# Altium PCB MB1635.PcbDoc (part 8 of 10) (continued)
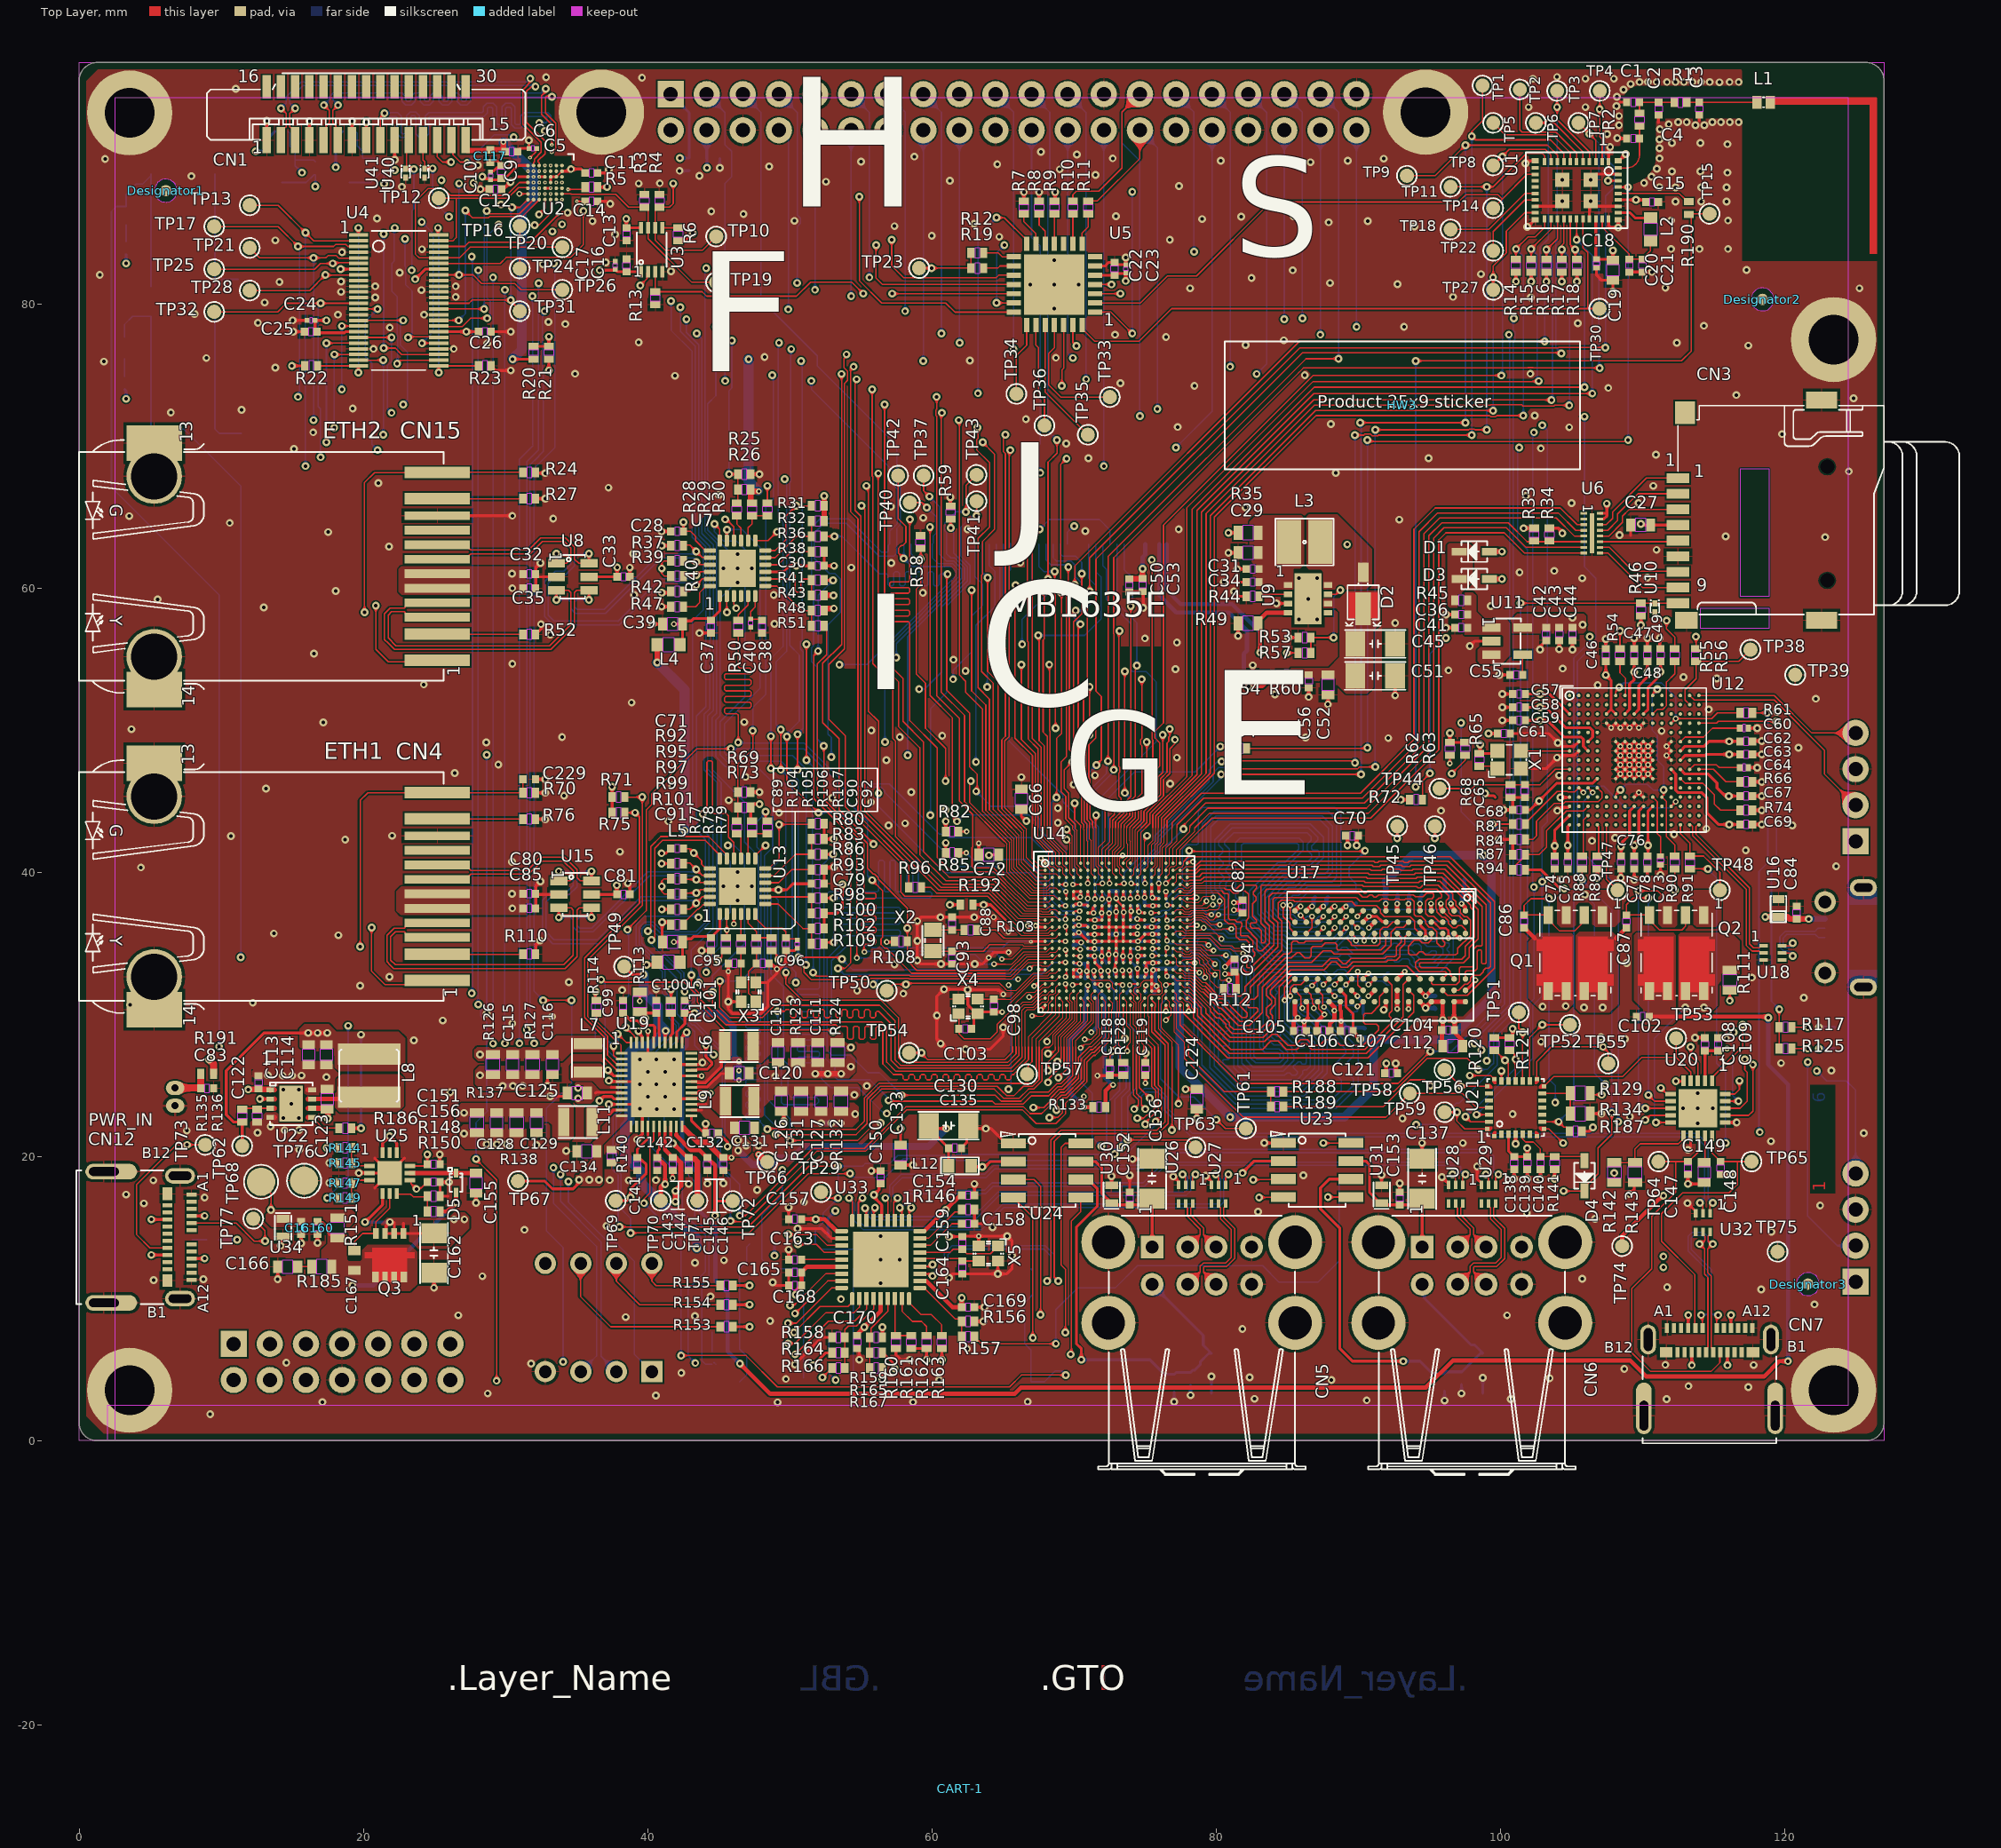
[diagram p0: Top Layer view]
## Nets (pads, with @x,y where several pads share a name; then routed paths per layer and width w, separated by ;. In a path a pad name is that pad's centre, name@x,y a point inside that pad or via, vN(x,y) a via of type N, cw(c..) or ccw(c..) an arc to the next point about the centre after c; other vN are vias at no path point) (continued)
SRC_GDCS: Q1.1 Q1.3 U20.6 | length 18.8
  Top Layer w0.1: v1(111.3,24.825) 111.725,24.4 U20.6@111.975,24.4
  Signal Layer 2 w0.1: v1(107.4,25.1) 107.675,24.825 v1(111.3,24.825)
  Bottom Layer w0.1: v1(105.95,38.425) 106.625,37.75 106.625,25.875 v1(107.4,25.1)
STLINK_SWCLK: R90.2 U14.Y2 | length 52.7
  Top Layer w0.075: v2(67.05,29.9) 67.8,29.9 68.225,30.325 68.225,30.76 68.475,31.01 U14.Y2@68.475,31.15
  Top Layer w0.1: v1(112.275,38.75) R90.2@112.275,40.25
  Signal Layer 2 w0.1: v2(67.05,29.9) 75.25,29.9 76.525,31.175 81.275,31.175 83.775,31.175 86.275,33.675 107.2,33.675 v1(112.275,38.75)
STLINK_SWDIO: R81.2 U14.Y12 | length 47.3
  Top Layer w0.075: U14.Y12@73.475,31.15 73.725,30.9 73.725,29.194 73.982,28.938 73.982,28.032 73.75,27.8 73.75,27.725
  Top Layer w0.1: v2(73.75,27.425) 73.75,27.725 ; v1(99.475,43.4) R81.2@100.875,43.4
  Signal Layer 2 w0.1: v2(73.75,27.425) 73.775,27.425 74.35,26.85 91.674,26.85 91.799,26.975 92.826,26.975 92.926,26.875 97.1,26.875 v1(98.175,27.95)
  Bottom Layer w0.1: v1(98.175,27.95) 98.175,28.6 100.3,30.725 100.3,42.575 v1(99.475,43.4)
STLINK_SWO: R61.2 U14.W18 | length 81.2
  Top Layer w0.075: 76.213,28.988 76.144,29.058 76.144,30.744 76.225,30.825 76.225,31.3 76.445,31.52 76.445,31.62 U14.W18@76.474,31.65 ; 76.214,28.989 77.35,27.853 77.35,27.725
  Top Layer w0.1: v1(77.35,23.725) 77.35,27.725 ; R61.2@117.75,51.225 v1(118.775,51.225)
  Signal Layer 2 w0.1: v1(77.35,23.725) 95.075,23.725 97.225,21.575 117.978,21.575 118.128,21.725 v1(118.25,21.725)
  Bottom Layer w0.1: v1(118.25,21.725) 118.2,21.775 118.2,40.075 118.825,40.7 118.825,51.175 v1(118.775,51.225)
STLK_LED: R117.2 R125.2 U12.D15 | length 28.9
  Top Layer w0.1: U12.D15@113.975,50.5 115.225,50.5 115.35,50.625 v1(119.425,50.625) ; R125.2@119.625,27.6 R117.2@119.625,29.1 v1(119.625,30.375)
  Bottom Layer w0.1: v1(119.425,50.625) 119.425,40.45 119.075,40.1 119.075,30.925 v1(119.625,30.375)
STLK_RST: C65.2 R68.1 TP44.1 U12.J1 | length 9.7
  Top Layer w0.1: TP44.1@95.725,45.9 98,45.9 98.275,46.175 99.65,46.175 R68.1@100.725,46.175 C65.2@101.725,46.175 102.8,46.175 103.875,47.25 U12.J1@104.875,47.25
STLK_SWCLK: CN9.2 U12.A14 | length 15.9
  Top Layer w0.1: U12.A14@113.325,52.45 113.65,52.125 119.275,52.125 122.8,48.6 122.8,46.93 CN9.2@125,44.73
STLK_SWDIO: CN9.4 U12.A15 | length 12.1
  Top Layer w0.1: U12.A15@113.975,52.45 119.275,52.45 121.915,49.81 CN9.4@125,49.81
STLK_VCP2_RX: R91.1 U21.8 | length 34.3
  Top Layer w0.1: U21.8@103.075,21.95 103.425,21.95 v1(104.425,20.95) ; R91.1@113.35,40.25 v1(114.6,40.25)
  Signal Layer 2 w0.1: v1(104.425,20.95) v1(115.85,20.95)
  Bottom Layer w0.1: v1(114.6,40.25) 115.225,39.625 115.225,26.575 115.85,25.95 v1(115.85,20.95)
STLK_VCP2_TX: R56.1 R187.1 U21.9 | length 46.3
  Top Layer w0.1: U21.9@102.95,22.45 v1(104.1,22.45) 104.475,22.075 104.645,22.075 104.85,21.87 R187.1@104.85,21.775 ; R56.1@113.775,55.75 v1(113.775,56.6)
  Signal Layer 2 w0.1: v1(106.3,56.6) 107.125,55.775 112.95,55.775 v1(113.775,56.6)
  Bottom Layer w0.1: v1(104.1,22.45) 105.175,23.525 105.175,55.1 106.3,56.225 v1(106.3,56.6)
STM32G0_I2C2_SCL: R121.2 U20.18 U21.18 | length 23.3
  Top Layer w0.1: R121.2@100.65,27.475 100.725,27.475 101.075,27.125 v1(101.075,26.85) U21.18@101.075,25.325 ; U20.18@115.825,23.4 116.875,23.4 117.375,23.9 117.375,25.925 117.2,26.1 v1(117.2,26.85)
  Signal Layer 2 w0.1: v1(101.075,26.85) v1(117.2,26.85)
STM32G0_I2C2_SDA: R120.1 U20.17 U21.19 | length 25.6
  Top Layer w0.1: R120.1@99.575,27.475 99.625,27.475 v1(100.325,26.775) 100.575,26.525 U21.19@100.575,25.325 ; U20.17@115.825,22.9 117.475,22.9 117.775,23.2 v1(117.775,26.475)
  Signal Layer 2 w0.1: v1(100.325,26.775) 100.7,26.4 117.7,26.4 v1(117.775,26.475)
STM32G0_INTN: TP59.1 U14.N5 U21.28 | length 51
  Top Layer w0.09: U14.N5@69.975,34.65 70.002,34.623 70.397,34.623 v2(70.442,34.578)
  Top Layer w0.1: TP59.1@96.075,23.125 v1(96.95,23.125) 96.95,22.5 97.5,21.95 U21.28@99.075,21.95
  Signal Layer 2 w0.09: v2(65.4,32.075) 65.4,33 66.6,34.2 69.625,34.2 70.003,34.578 v2(70.442,34.578)
  Signal Layer 2 w0.1: v1(65.4,24.75) 71.155,24.75 71.58,24.325 74.3,24.325 74.585,24.61 75.28,24.61 75.42,24.75 76.075,24.75 76.525,24.3 95.775,24.3 v1(96.95,23.125)
  Bottom Layer w0.09: v2(65.4,32.075) 65.4,32.031 65.57,31.861 65.57,27.725
  Bottom Layer w0.1: v1(65.4,24.75) 65.4,24.869 65.57,25.039 65.57,27.725
STM32G0_SWCLK: CN13.2 U21.21 | length 41.6
  Top Layer w0.1: v1(97.85,25.7) 99.325,25.7 U21.21@99.575,25.45
  Signal Layer 2 w0.1: v1(97.85,25.7) 98.65,25.7 99.9,26.95 ; 99.9,26.951 100.224,27.275 115.78,27.275 115.805,27.25 116.095,27.25 116.12,27.275 121,27.275 v1(121.625,26.65)
  Bottom Layer w0.1: v1(121.625,26.65) 121.625,15.825 123.72,13.73 CN13.2@125,13.73
STM32G0_SWDIO: CN13.4 U21.20 | length 32.1
  Top Layer w0.1: U21.20@100.075,25.325 v1(100.075,26.025)
  Signal Layer 2 w0.1: v1(100.075,26.025) v1(122.275,26.025)
  Bottom Layer w0.1: v1(122.275,26.025) 122.975,25.325 124.351,25.325 125,24.676 CN13.4@125,18.81
STM32G0_WAKE: TP58.1 U14.AA19 U21.25 | length 28.3
  Top Layer w0.075: U14.AA19@76.974,30.65 76.974,30.61 77.056,30.528 77.056,30.465 77.056,28.769 77.638,28.188 77.775,28.05 77.775,27.725
  Top Layer w0.1: 77.775,27.725 77.775,26.9 81.9,22.775 91.95,22.775 TP58.1@93.625,24.45 97.325,24.45 98.325,23.45 U21.25@99.2,23.45
STMIPI_ERROR: TP25.1 U4.6 U5.18 | length 61.5
  Top Layer w0.1: TP25.1@9.5,82.45 16.575,82.45 16.975,82.85 v1@17.975,82.85 ; v1(17.85,82.85) 17.9,82.9 19.6,82.9 U4.6@19.65,82.85 ; v1(56.075,84.15) 56.075,81.825 56.525,81.375 U5.18@65.775,81.375
  Signal Layer 2 w0.1: v1(17.85,82.85) 17.875,82.875 18.576,82.875 18.601,82.85 25.15,82.85 26.45,84.15 v1(56.075,84.15)
STMIPI_INT: TP28.1 U4.8 U5.17 | length 60.5
  Top Layer w0.1: TP28.1@12,80.95 16.225,80.95 v1(17.325,82.05) 17.35,82.025 19.625,82.025 U4.8@19.65,82.05 ; v1(57.175,84.525) 57.175,82.7 58.025,81.85 64.525,81.85 64.7,82.025 U5.17@65.775,82.025
  Signal Layer 2 w0.1: v1(17.325,82.05) 17.325,83 17.6,83.275 18.274,83.275 18.324,83.225 25.05,83.225 26.3,84.475 55.799,84.475 55.899,84.575 57.125,84.575 v1(57.175,84.525)
T_JTDI: R189.1 U12.L3 | length 50.5
  Top Layer w0.1: R189.1@84.75,23.518 91.767,23.518 93.649,25.4 94.675,25.4 v1(95.075,25) ; U12.L3@106.175,45.95 v2(106.5,45.625)
  Signal Layer 2 w0.1: v1(95.075,25) 96.25,25 97.106,24.144 100.706,24.144 101.775,23.075 106.2,23.075 106.822,22.453 v1(108.303,22.453)
  Bottom Layer w0.1: v2(106.5,45.625) 105.85,44.975 105.85,41.375 108.303,38.922 v1(108.303,22.453)
T_NRST: R88.1 U12.P3 | length 3
  Top Layer w0.1: R88.1@105.75,41.15 105.85,41.25 105.85,43.675 U12.P3@106.175,44
T_PWR_EN: TP47.1 U12.R5 | length 4.9
  Top Layer w0.1: U12.R5@107.475,43.35 107.475,39.525 TP47.1@108.25,38.75
T_PWR_EXT: R89.2 U12.R4 | length 2.3
  Top Layer w0.1: R89.2@106.825,41.15 106.925,41.25 106.925,43.216 106.825,43.316 U12.R4@106.825,43.35
T_SWCLK: R90.1 U12.A10 U12.M6 U12.M11 | length 17.3
  Top Layer w0.1: U12.M6@108.125,45.3 108.132,45.307 108.132,45.482 v1(108.45,45.8) ; U12.A10@110.725,52.45 110.754,52.479 110.754,52.604 v1(111.05,52.9) ; v1(111.5,45.8) 111.5,45.425 U12.M11@111.375,45.3 111.7,44.975 111.7,42.5 112.275,41.925 R90.1@112.275,41.15
  Bottom Layer w0.1: v1(108.45,45.8) 108.85,46.2 110.35,46.2 110.763,45.787 111.087,45.787 111.1,45.8 v1(111.5,45.8) 111.5,47.425 111.05,47.875 111.05,49.649 110.7,49.999 110.7,52.428 111.05,52.778 v1(111.05,52.9)
T_SWDIO: R81.1 U12.L2 U12.N12 | length 13.3
  Top Layer w0.1: R81.1@101.775,43.4 101.775,43.475 102.9,44.6 ; 102.901,44.6 103.15,44.849 ; 103.15,44.85 104,45.7 104.736,45.7 104.761,45.675 105.25,45.675 U12.L2@105.525,45.95 v2(105.85,45.625) ; U12.N12@112.025,44.65 v2(112.35,44.975)
  Bottom Layer w0.1: v2(105.85,45.625) 106.295,46.07 107.28,46.07 108.805,44.545 111.92,44.545 v2(112.35,44.975)
T_SWO: R61.1 U12.A6 U12.D12 | length 11.8
  Top Layer w0.1: U12.A6@108.125,52.45 108.125,52.757 108.375,53.007 v1(108.375,53.025) ; U12.D12@112.025,50.5 v2(112.35,50.825) 114.875,50.825 115.275,51.225 R61.1@116.85,51.225
  Bottom Layer w0.1: v1(108.375,53.025) 108.688,53.338 111.337,53.338 112.35,52.325 v2(112.35,50.825)
TAMP_BTN: B4.1 B4.2 R181.1 U14.U10 | length 56.5
  Top Layer w0.09: v2(72.4,33.075) 72.4,32.991 72.475,32.916 U14.U10@72.475,32.65
  Signal Layer 2 w0.1: v1(49.475,19.05) 51.1,20.675 71.075,20.675 71.625,21.225 72.8,21.225 v1(73.35,20.675)
  Bottom Layer w0.09: v2(72.4,33.075) 72.4,32.613 73,32.013 73,28.011 73.286,27.725 73.327,27.684 73.327,26.898 73.7,26.525
  Bottom Layer w0.1: v1(49.475,19.05) 49.475,17.284 48.025,15.834 R181.1@48.025,13.85 48.025,12.8 48.725,12.1 B4.2@50.975,12.1 B4.1@50.975,4.405 ; v1(73.35,20.675) 73.35,24.15 73.925,24.725 73.925,26.3 73.7,26.525
TD1_N: CN4.4 R92.1 U13.20 U15.4 | length 38.6
  Top Layer w0.09: CN4.4@25.2,36.45 23.205,36.45 22.945,36.19 22.945,36.123 22.892,36.07 22.784,36.07 22.152,36.07 21.665,35.583 21.665,33.717 21.891,33.491 22.142,33.24 34.208,33.24 35.03,34.062 35.03,37.35 35.18,37.5 U15.4@36.05,37.5 v1(36.05,36.825) ; R92.1@42.525,40.65 42.975,40.65 v1(43.413,40.213) 43.85,39.775 U13.20@44.375,39.775
  Bottom Layer w0.09: v1(36.05,36.825) 35.2,36.825 35.025,36.65 35.025,36.264 35.2,36.089 35.2,36.075 36.061,36.075 40.015,40.029 43.229,40.029 v1(43.413,40.213)
TD1_P: CN4.3 R95.1 U13.21 U15.3 | length 37.6
  Top Layer w0.09: CN4.3@25.2,35.43 23.205,35.43 22.945,35.69 22.945,35.757 22.892,35.81 22.676,35.81 22.26,35.81 21.925,35.475 21.925,33.825 22.25,33.5 34.1,33.5 34.77,34.17 34.77,37.35 34.62,37.5 U15.3@33.75,37.5 v1(33.75,36.825) ; R95.1@42.525,39.575 42.6,39.5 v1(43.425,39.5) 43.5,39.5 43.725,39.275 U13.21@44.375,39.275
  Bottom Layer w0.09: v1(33.75,36.825) 34.6,36.825 34.765,36.66 34.765,36.156 34.94,35.981 34.94,35.967 35.092,35.815 36.169,35.815 40.122,39.769 43.231,39.769 43.425,39.575 v1(43.425,39.5)
TD2_N: CN15.4 R37.1 U7.20 U8.4 | length 38.3
  Top Layer w0.09: CN15.4@25.2,58.98 23.205,58.98 22.945,58.72 22.945,58.653 22.892,58.6 22.784,58.6 21.882,58.6 21.49,58.208 21.49,56.392 21.741,56.141 22.192,55.69 33.208,55.69 34.855,57.337 34.855,59.7 35.005,59.85 U8.4@35.875,59.85 v1(35.875,59.175) ; R37.1@42.525,63.025 42.975,63.025 v1(43.413,62.588) 43.85,62.15 U7.20@44.375,62.15
  Bottom Layer w0.09: v1(35.875,59.175) 35,59.175 34.85,59.025 34.85,58.689 35.025,58.514 35.025,58.5 36.936,58.5 40.84,62.404 43.229,62.404 v1(43.413,62.588)
TD2_P: CN15.3 R39.1 U7.21 U8.3 | length 37.3
  Top Layer w0.09: CN15.3@25.2,57.96 23.205,57.96 22.945,58.22 22.945,58.287 22.892,58.34 22.676,58.34 21.99,58.34 21.75,58.1 21.75,56.5 22.3,55.95 33.1,55.95 34.595,57.445 34.595,59.7 34.445,59.85 U8.3@33.575,59.85 v1(33.575,59.175) ; R39.1@42.525,61.95 42.625,61.85 v1(43.425,61.85) 43.525,61.85 43.725,61.65 U7.21@44.375,61.65
  Bottom Layer w0.09: v1(33.575,59.175) 34.45,59.175 34.59,59.035 34.59,58.581 34.765,58.406 34.765,58.392 34.917,58.24 37.044,58.24 40.947,62.144 43.231,62.144 43.425,61.95 v1(43.425,61.85)
UART4_RX: R54.2 R72.1 U14.B5 | length 57.2
  Top Layer w0.075: v1(69.475,43.025) 69.475,43 69.89,42.585 69.89,40.272 69.975,40.187 U14.B5@69.975,40.15
  Top Layer w0.1: R72.1@94.525,45.125 94.525,46.45 v1(95.05,46.975) ; R54.2@108.425,55.75 v1(108.425,57)
  Signal Layer 2 w0.09: v1(69.475,43.025) 71.27,43.025 71.37,43.125
  Signal Layer 2 w0.1: 71.37,43.125 72.3,44.055 72.3,45.225 73.9,46.825 79.387,46.825 79.737,46.475 92.95,46.475 93.45,46.975 v1(95.05,46.975) ; v1(96.175,56.5) 103.825,56.5 104.275,56.95 105.94,56.95 106.215,57.225 108.141,57.225 108.366,57 v1(108.425,57)
  Bottom Layer w0.1: v1(95.05,46.975) 95.05,55.375 v1(96.175,56.5)
UART4_TX: R55.2 U14.D2 | length 76.7
  Top Layer w0.075: 65.175,42.992 65.8,42.367 65.8,40.325 67.221,38.904 68.079,38.904 68.325,39.15 U14.D2@68.475,39.15
  Top Layer w0.1: v1(62.8,59.875) 62.8,52.775 63.8,51.775 63.8,44.367 65.175,42.992 ; v1(111.7,57.725) 111.7,57.125 112.275,56.55 R55.2@112.275,55.75
  Signal Layer 2 w0.1: v1(62.8,59.875) 64.875,59.875 65.472,59.278 82.203,59.278 82.8,59.875 87.65,59.875 88.15,59.375 110.05,59.375 v1(111.7,57.725)
USART2_CTS: TP6.1 U1.5 U14.B2 | length 87.1
  Top Layer w0.075: 67.075,43.125 67.075,40.975 67.65,40.4 68.125,40.4 68.345,40.18 68.445,40.18 U14.B2@68.475,40.15
  Top Layer w0.1: v1(65.9,60.225) 65.85,60.175 65.85,49.45 67.078,48.222 67.078,43.426 67.075,43.423 67.075,43.125 ; v1(70.053,60.253) 70.053,61.55 85.878,77.375 v1(103.125,77.375) ; TP6.1@102.5,92.75 v1(103.375,92.75) 103.775,92.75 105.825,90.7 U1.5@105.825,90.025
  Signal Layer 2 w0.1: v1(65.9,60.225) v1@69.975,60.225
  Bottom Layer w0.1: v1(103.125,77.375) 103.125,80.75 102.8,81.075 102.8,84 103.375,84.575 v1(103.375,92.75)
USART2_RTS: TP3.1 U1.4 U14.C7 | length 86.4
  Top Layer w0.09: v2@70.975,39.15 v2(70.975,39.225) U14.C7@70.975,39.65
  Top Layer w0.1: v1(71.575,47.55) 71.925,47.9 71.925,52.375 71.55,52.75 71.55,62.05 86.075,76.575 104.25,76.575 v1(104.3,76.525) ; TP3.1@104,95 104,92.975 106.275,90.7 U1.4@106.275,90.025
  Bottom Layer w0.09: v2(70.975,39.225) 70.975,43.125
  Bottom Layer w0.1: 70.975,43.125 70.975,43.3 70.725,43.55 70.725,46.7 v1(71.575,47.55) ; v1(104,93.85) 104,88.976 103.95,88.926 103.95,88.574 104,88.524 104,87.476 103.95,87.426 103.95,87.074 104,87.024 104,84.45 103.9,84.35 103.9,76.925 v1(104.3,76.525)
USART2_RX: TP7.1 U1.3 U14.E9 | length 85.5
  Top Layer w0.09: v2(71.975,38.125) U14.E9@71.975,38.65
  Top Layer w0.1: v1(72.8,47.225) 72.8,47.624 72.825,47.649 72.825,48.001 72.825,56.774 72.775,56.824 72.775,57.176 72.8,57.201 72.8,62.15 85.825,75.175 ; 85.825,75.176 86.074,75.425 86.15,75.5 101.924,75.5 101.949,75.525 102.301,75.525 102.326,75.5 v1(107,75.5) ; TP7.1@105.5,92.75 106.725,91.525 U1.3@106.725,90.025
  Bottom Layer w0.075: 71.731,39.494 71.605,39.368 71.605,38.495 v2(71.975,38.125)
  Bottom Layer w0.09: 71.731,39.494 71.731,43.125
  Bottom Layer w0.1: 71.731,43.125 71.731,43.194 71.14,43.785 71.14,45.44 72.662,46.962 72.662,46.965 72.8,47.103 v1(72.8,47.225) ; v1(106.275,91.975) 106.95,91.3 106.95,75.55 v1(107,75.5)
USART2_TX: TP4.1 U1.2 U14.D3 | length 91.1
  Top Layer w0.09: U14.D3@68.975,39.15 v2(69.425,39.15) v2@69.45,39.15
  Top Layer w0.1: v1(68.775,45.275) 68.775,49.425 69.125,49.775 69.125,59.675 v1@69.05,59.75 ; v1(71.103,59.778) 71.103,62.122 71.1,62.125 85.9,76.925 104.099,76.925 104.124,76.95 107.375,76.95 v1(107.4,76.925) ; TP4.1@107,95 v1(107,93.7) 107,91.775 107.175,91.6 U1.2@107.175,90.025
  Signal Layer 2 w0.1: v1(69.078,59.703) 71.047,59.703 71.097,59.753 71.103,59.759 v1(71.103,59.778)
  Bottom Layer w0.09: 68.4,43.125 68.4,42.75 69.425,41.725 v2(69.425,39.15)
  Bottom Layer w0.1: 68.4,43.125 68.4,44.9 v1@68.725,45.225 ; v1(107,93.7) 107,91.825 107.3,91.525 107.3,90.35 108.025,89.625 108.025,88.225 107.4,87.6 v1(107.4,76.925)
USB1CN25_N: CN6.T2 U28.5 | length 3.9
  Top Layer w0.1: U28.5@96.85,16.7 96.85,16.525 96.925,16.45 96.926,16.45 96.985,16.391 96.985,15.79 97.885,14.89 97.885,14.515 CN6.T2@97,13.63
USB1CN25_P: CN6.T3 U28.6 | length 3.9
  Top Layer w0.1: U28.6@97.35,16.7 97.35,16.525 97.275,16.45 97.274,16.45 97.215,16.391 97.215,15.885 98.115,14.985 98.115,14.515 CN6.T3@99,13.63
USB2CN25_N: CN6.B2 U29.5 | length 8.3
  Top Layer w0.1: CN6.B2@97,11.01 97.885,11.895 97.885,12.294 98.091,12.5 99.65,12.5 100.075,12.925 100.075,14.85 99.31,15.615 99.31,16.391 99.251,16.45 99.25,16.45 99.175,16.525 U29.5@99.175,16.7
USB2CN25_P: CN6.B3 U29.6 | length 8.3
  Top Layer w0.1: CN6.B3@99,11.01 98.115,11.895 98.115,12.198 98.187,12.27 99.745,12.27 100.305,12.83 100.305,14.945 99.54,15.71 99.54,16.391 99.599,16.45 99.6,16.45 99.675,16.525 U29.6@99.675,16.7
USB3CN26_N: CN5.T2 U26.5 | length 3.9
  Top Layer w0.1: U26.5@77.85,16.7 77.85,16.525 77.925,16.45 77.926,16.45 77.985,16.391 77.985,15.79 78.885,14.89 78.885,14.515 CN5.T2@78,13.63
USB3CN26_P: CN5.T3 U26.6 | length 3.9
  Top Layer w0.1: U26.6@78.35,16.7 78.35,16.525 78.275,16.45 78.274,16.45 78.215,16.391 78.215,15.885 79.115,14.985 79.115,14.515 CN5.T3@80,13.63
USB4CN26_N: CN5.B2 U27.5 | length 8.3
  Top Layer w0.1: CN5.B2@78,11.01 78.885,11.895 78.885,12.294 79.091,12.5 80.65,12.5 81.075,12.925 81.075,14.85 80.31,15.615 80.31,16.391 80.251,16.45 80.25,16.45 80.175,16.525 U27.5@80.175,16.7
USB4CN26_P: CN5.B3 U27.6 | length 8.3
  Top Layer w0.1: CN5.B3@80,11.01 79.115,11.895 79.115,12.198 79.187,12.27 80.745,12.27 81.305,12.83 81.305,14.945 80.54,15.71 80.54,16.391 80.599,16.45 80.6,16.45 80.675,16.525 U27.6@80.675,16.7
USB_D1_N: U14.AA16 U33.30 | length 40
  Top Layer w0.09: U14.AA16@75.474,30.65 75.475,28.789 76.405,27.859 76.405,27.725 76.4,27.72
  Top Layer w0.1: U33.30@59.15,11.75 59.9,11.75 v1(60.05,11.6) ; v1(68.113,11.238) 68.114,11.238 68.385,11.508 68.385,11.591 68.385,21.16 69.075,21.85 75.825,21.85 76.4,22.425 76.4,27.72
  Bottom Layer w0.1: v1(60.05,11.6) 60.05,11.681 60.161,11.792 60.161,11.826 60.22,11.885 60.303,11.885 60.88,11.885 61.12,12.125 61.12,13.095 61.52,13.495 67.88,13.495 68.385,12.99 68.385,11.512 68.385,11.429 68.194,11.238 v1(68.113,11.238)
USB_D1_P: U14.Y16 U33.31 | length 41
  Top Layer w0.09: U14.Y16@75.474,31.15 75.491,31.134 75.491,30.993 75.728,30.755 75.728,30.545 75.695,30.511 75.695,28.88 76.625,27.95 76.625,27.725 76.63,27.72
  Top Layer w0.1: U33.31@59.15,12.25 59.9,12.25 v1(60.05,12.4) ; v1(68.888,11.238) v1(68.888,11.238) 68.615,11.508 68.615,11.687 68.615,21.065 69.17,21.62 75.92,21.62 76.63,22.33 76.63,27.72
  Bottom Layer w0.1: v1(60.05,12.4) 60.05,12.319 60.161,12.208 60.161,12.174 60.22,12.115 60.398,12.115 60.785,12.115 60.89,12.22 60.89,13.191 61.425,13.725 67.975,13.725 68.615,13.085 68.615,11.607 68.615,11.429 68.806,11.238 v1(68.888,11.238)
USB_D2_N: U14.Y13 U32.2 | length 56.1
  Top Layer w0.075: U14.Y13@73.975,31.15 73.986,31.139 73.986,30.987 74.221,30.752 74.221,30.548 74.18,30.507 74.18,29.295 74.4,29.075 74.4,27.725
  Top Layer w0.1: 74.395,27.725 74.395,24.772 74.413,24.755 74.413,24.438 74.753,24.098 74.753,23.623 v1(75.025,23.35) ; v1(114.05,16.75) 114.25,16.55 U32.2@114.25,16
  Bottom Layer w0.1: v1(75.025,23.35) 74.998,23.35 74.752,23.596 74.752,23.679 74.753,24.253 75.05,24.55 75.875,24.55 76.35,24.075 76.35,23.3 78.255,21.395 113.755,21.395 114.385,20.765 114.385,17.41 114.385,17.085 v1(114.05,16.75)
USB_D2_P: U14.AA13 U32.1 | length 56.2
  Top Layer w0.075: U14.AA13@73.975,30.65 73.975,29.491 73.975,29.193 74.17,28.997 74.187,28.98 74.187,27.836 74.165,27.813 74.165,27.725
  Top Layer w0.1: 74.165,27.725 74.165,24.677 74.183,24.659 74.183,24.342 74.523,24.003 74.523,23.623 v1(74.25,23.35) ; U32.1@114.75,16 114.75,16.55 v1(114.95,16.75)
  Bottom Layer w0.1: v1(74.25,23.35) 74.277,23.35 74.523,23.596 74.523,23.774 74.523,24.348 74.955,24.78 75.97,24.78 76.58,24.17 76.58,23.395 78.35,21.625 113.85,21.625 114.615,20.86 114.615,17.505 114.615,17.085 v1(114.95,16.75)
USB_DCONN_N: CN7.A7 CN7.B7 U32.5 | length 18.1
  Top Layer w0.1: U32.5@114.25,14.7 114.25,14.525 114.325,14.45 114.326,14.45 114.395,14.381 114.395,14.098 114.147,13.85 v1(114.025,13.85) 114.373,13.502 114.373,13.127 114.373,11.728 114.61,11.49 114.61,8.735 114.61,6.57 114.475,6.435 CN7.B7@114.475,6.235 ; CN7.A7@115.225,7.935 v1@115.225,8.85
  Bottom Layer w0.1: v1(114.025,13.85) 114.111,13.936 114.288,13.936 114.373,14.021 114.373,14.104 114.373,14.271 114.206,14.437 113.587,14.437 113.45,14.3 113.45,13.45 114.84,12.06 114.84,11.123 114.84,9.23 114.84,9 114.959,8.881 115.294,8.881 v1(115.325,8.85)
USB_DCONN_P: CN7.A6 CN7.B6 U32.6 | length 18.8
  Top Layer w0.1: CN7.A6@114.225,7.935 v1@114.225,8.85 ; U32.6@114.75,14.7 114.75,14.525 114.625,14.4 114.625,14.053 114.828,13.85 v1(114.95,13.85) 114.603,13.503 114.603,13.032 114.603,11.823 114.84,11.585 114.84,8.83 114.84,6.57 114.975,6.435 CN7.B6@114.975,6.235
  Bottom Layer w0.1: v1(114.125,8.85) 114.156,8.881 114.491,8.881 114.61,9 114.61,11.218 114.61,11.965 113.22,13.355 113.22,14.395 113.492,14.667 114.302,14.667 114.603,14.367 114.603,14.199 114.603,14.021 114.687,13.936 114.864,13.936 v1(114.95,13.85)
USB_DEV_HS_CN_N: CN10.2 U18.5 | length 6.2
  Top Layer w0.1: U18.5@119.825,34.325 120.375,34.325 v1(120.575,34.125)
  Bottom Layer w0.1: v1(120.575,34.125) 120.575,34.135 120.24,34.47 119.93,34.47 119.67,34.73 119.67,35.47 120.065,35.865 122.166,35.865 122.225,35.924 122.225,35.925 122.375,36.075 CN10.2@122.85,36.075
USB_DEV_HS_CN_P: CN10.3 U18.6 | length 5.4
  Top Layer w0.1: U18.6@119.825,34.825 120.375,34.825 v1(120.575,35.025)
  Bottom Layer w0.1: v1(120.575,35.025) 120.575,35.015 120.26,34.7 120.025,34.7 119.9,34.825 119.9,35.375 120.16,35.635 122.166,35.635 122.225,35.576 122.225,35.575 122.375,35.425 CN10.3@122.85,35.425
USB_DEV_HS_N: U12.R14 U18.2 | length 11.6
  Top Layer w0.1: U12.R14@113.325,43.35 113.354,43.321 113.447,43.321 113.535,43.233 113.535,43.15 113.535,42.59 117.3,38.825 117.3,34.875 117.715,34.46 118.075,34.46 118.216,34.46 118.275,34.401 118.275,34.4 118.35,34.325 U18.2@118.525,34.325
USB_DEV_HS_P: U12.R15 U18.1 | length 11.2
  Top Layer w0.1: U12.R15@113.975,43.35 113.946,43.321 113.853,43.321 113.765,43.233 113.765,43.055 113.765,42.685 117.53,38.92 117.53,34.97 117.81,34.69 117.98,34.69 118.216,34.69 118.275,34.749 118.275,34.75 118.35,34.825 U18.1@118.525,34.825
USB_PWR_CC1: R149.2 U14.AA4 | length 68.6
  Top Layer w0.075: v1(68.1,28.1) 68.1,28.375 68.125,28.4 69.475,29.75 U14.AA4@69.475,30.65
  Top Layer w0.1: v1(17.445,17.089) R149.2@18.27,17.089
  Signal Layer 2 w0.09: 65.175,27.975 68.102,27.975 68.1,27.977 v1(68.1,28.1)
  Signal Layer 2 w0.1: v1(18.925,29.2) 23.8,29.2 24.425,28.575 31.249,28.575 31.324,28.5 31.676,28.5 31.751,28.575 37.2,28.575 38.175,29.55 39.229,29.55 39.503,29.276 41.589,29.276 43.516,27.35 44.227,27.35 44.474,27.597 46.303,27.597 47.15,26.75 58.891,26.75 58.966,26.675 60.899,26.675 62.199,27.975 65.175,27.975
  Bottom Layer w0.1: v1(17.445,17.089) 18.925,18.57 v1(18.925,29.2)
USB_PWR_CC2: R144.2 U14.W9 | length 70.7
  Top Layer w0.075: v2(70.475,27.65) 70.494,27.65 70.569,27.725 70.763,27.919 71.133,27.919 71.801,28.586 71.801,28.988 71.728,29.061 71.728,31.403 U14.W9@71.975,31.65
  Top Layer w0.1: v1(17.42,20.614) R144.2@18.27,20.614
  Signal Layer 2 w0.1: v1(17.42,20.614) 25.605,20.614 28.545,17.675 38.775,17.675 39.225,18.125 39.65,18.125 40.148,17.627 41.401,17.627 41.525,17.751 41.825,18.051 42.159,18.051 42.442,18.334 42.442,18.337 42.681,18.575 49.75,18.575 51.35,20.175 71.375,20.175 v1(71.925,20.725)
  Bottom Layer w0.1: v2(70.475,27.65) 70.475,25.275 71.275,24.475 71.275,21.375 v1(71.925,20.725)
USBC_EN: TP56.1 U20.20 U21.22 | length 25.3
  Top Layer w0.1: TP56.1@96.075,26.1 v1(97.225,24.95) U21.22@99.075,24.95 ; U20.20@115.825,24.4 116.5,24.4 116.825,24.725 v1(116.825,25.325)
  Signal Layer 2 w0.1: v1(97.225,24.95) 99.675,24.95 100.425,25.7 112.149,25.7 112.174,25.725 112.526,25.725 112.551,25.7 116.45,25.7 v1(116.825,25.325)
USBC_INTn: TP51.1 U20.19 U21.17 | length 25.8
  Top Layer w0.1: TP51.1@101.3,30.15 101.3,29.025 v1(101.575,28.75) U21.17@101.575,25.325 ; U20.19@115.825,23.9 v1(116.75,23.9)
  Signal Layer 2 w0.1: v1(101.575,28.75) 101.65,28.825 116.35,28.825 v1(116.425,28.75)
  Bottom Layer w0.1: v1(116.425,28.75) 116.35,28.675 116.35,24.3 v1(116.75,23.9)
USBDN1_N: U28.2 U33.1 | length 43.1
  Top Layer w0.1: U33.1@58.4,15.5 58.4,16.25 v1(58.55,16.4) ; v1(96.65,18.75) 96.85,18.55 U28.2@96.85,18
  Bottom Layer w0.1: v1(58.55,16.4) 58.498,16.4 58.265,16.633 58.265,16.716 58.265,17.19 58.47,17.395 63.795,17.395 64.32,17.92 74.97,17.92 76.425,19.375 96.775,19.375 96.985,19.165 96.985,18.978 96.757,18.75 v1(96.65,18.75)
USBDN1_P: U28.1 U33.2 | length 43.8
  Top Layer w0.1: v1(57.75,16.4) 57.9,16.25 U33.2@57.9,15.5 ; U28.1@97.35,18 97.35,18.55 v1(97.55,18.75)
  Bottom Layer w0.1: v1(57.75,16.4) 57.802,16.4 58.035,16.633 58.035,16.811 58.035,17.285 58.375,17.625 63.7,17.625 64.225,18.15 74.875,18.15 76.33,19.605 96.87,19.605 97.215,19.26 97.215,18.978 97.443,18.75 v1(97.55,18.75)
USBDN2_N: U29.2 U33.3 | length 48.1
  Top Layer w0.1: U33.3@57.4,15.5 57.325,15.575 57.325,16.775 57.575,17.025 v1(57.575,17.075) ; v1(98.975,18.75) 99.175,18.55 U29.2@99.175,18
  Bottom Layer w0.1: v1(57.575,17.075) 57.473,17.075 57.265,17.283 57.265,17.366 57.265,17.865 57.92,18.52 63.82,18.52 64.445,19.145 74.895,19.145 76.025,20.275 98.975,20.275 99.31,19.94 99.31,19.016 99.31,18.933 99.251,18.875 99.221,18.875 99.097,18.75 v1(98.975,18.75)
USBDN2_P: U29.1 U33.4 | length 48.8
  Top Layer w0.1: v1(56.725,17.075) 56.725,17.025 56.9,16.85 U33.4@56.9,15.5 ; U29.1@99.675,18 99.675,18.55 v1(99.875,18.75)
  Bottom Layer w0.1: v1(56.725,17.075) 56.827,17.075 57.035,17.283 57.035,17.461 57.035,17.96 57.825,18.75 63.725,18.75 64.35,19.375 74.8,19.375 75.93,20.505 99.07,20.505 99.54,20.035 99.54,19.111 99.54,18.933 99.599,18.875 99.629,18.875 99.753,18.75 v1(99.875,18.75)
USBDN3_N: U26.2 U33.6 | length 26.7
  Top Layer w0.1: U33.6@55.9,15.5 55.9,16.25 56,16.35 v1(56,16.4) ; v1(77.65,18.75) 77.85,18.55 U26.2@77.85,18
  Bottom Layer w0.1: v1(56,16.4) 56,16.352 55.765,16.117 55.765,16.034 55.765,15.925 55.915,15.775 62.925,15.775 64.65,17.5 77.8,17.5 77.985,17.685 77.985,18.484 77.985,18.567 77.926,18.625 77.896,18.625 77.772,18.75 v1(77.65,18.75)
USBDN3_P: U26.1 U33.7 | length 27.4
  Top Layer w0.1: v1(55.3,16.375) 55.3,16.35 55.4,16.25 U33.7@55.4,15.5 ; U26.1@78.35,18 78.35,18.55 v1(78.55,18.75)
  Bottom Layer w0.1: v1(55.3,16.375) 55.3,16.327 55.535,16.092 55.535,15.939 55.535,15.83 55.82,15.545 63.02,15.545 64.745,17.27 77.895,17.27 78.215,17.59 78.215,18.389 78.215,18.567 78.274,18.625 78.304,18.625 78.428,18.75 v1(78.55,18.75)
USBDN4_N: U27.2 U33.8 | length 32.7
  Top Layer w0.1: U33.8@54.9,15.5 54.83,15.57 54.83,16.78 v1(55.125,17.075) ; v1(79.975,18.75) 80.175,18.55 U27.2@80.175,18
  Bottom Layer w0.1: v1(55.125,17.075) 54.765,16.715 54.765,16.565 54.765,15.585 55.275,15.075 63.399,15.075 64.979,16.655 80.08,16.655 80.31,16.885 80.31,18.227 80.31,18.415 v1(79.975,18.75)
USBDN4_P: U27.1 U33.9 | length 33.4
  Top Layer w0.1: v1(54.175,17.075) 54.4,16.85 U33.9@54.4,15.5 ; U27.1@80.675,18 80.675,18.55 v1(80.875,18.75)
  Bottom Layer w0.1: v1(54.175,17.075) 54.535,16.715 54.535,16.47 54.535,15.49 55.18,14.845 63.494,14.845 65.074,16.425 80.175,16.425 80.54,16.79 80.54,18.132 80.54,18.415 v1(80.875,18.75)
uSD_DETECT: CN3.9 R46.2 R188.1 U10.1 | length 60.5
  Top Layer w0.1: R188.1@84.75,24.568 92.518,24.568 94.875,26.925 97.65,26.925 v1(98.45,26.125) ; v1(101.425,58.95) R46.2@109.9,58.95 109.913,58.937 U10.1@110.875,58.937 110.888,58.95 CN3.9@112.5,58.95
  Bottom Layer w0.1: v1(98.45,26.125) 99.074,26.125 99.249,26.3 99.525,26.575 99.525,28.825 101.425,30.725 v1(101.425,58.95)
VBUS_MEAS: R129.1 R134.2 U21.13 | length 3.4
  Top Layer w0.1: U21.13@102.95,24.45 R129.1@104.925,24.45 R134.2@104.925,23.025